# KiCad board hermod-left.kicad_pcb
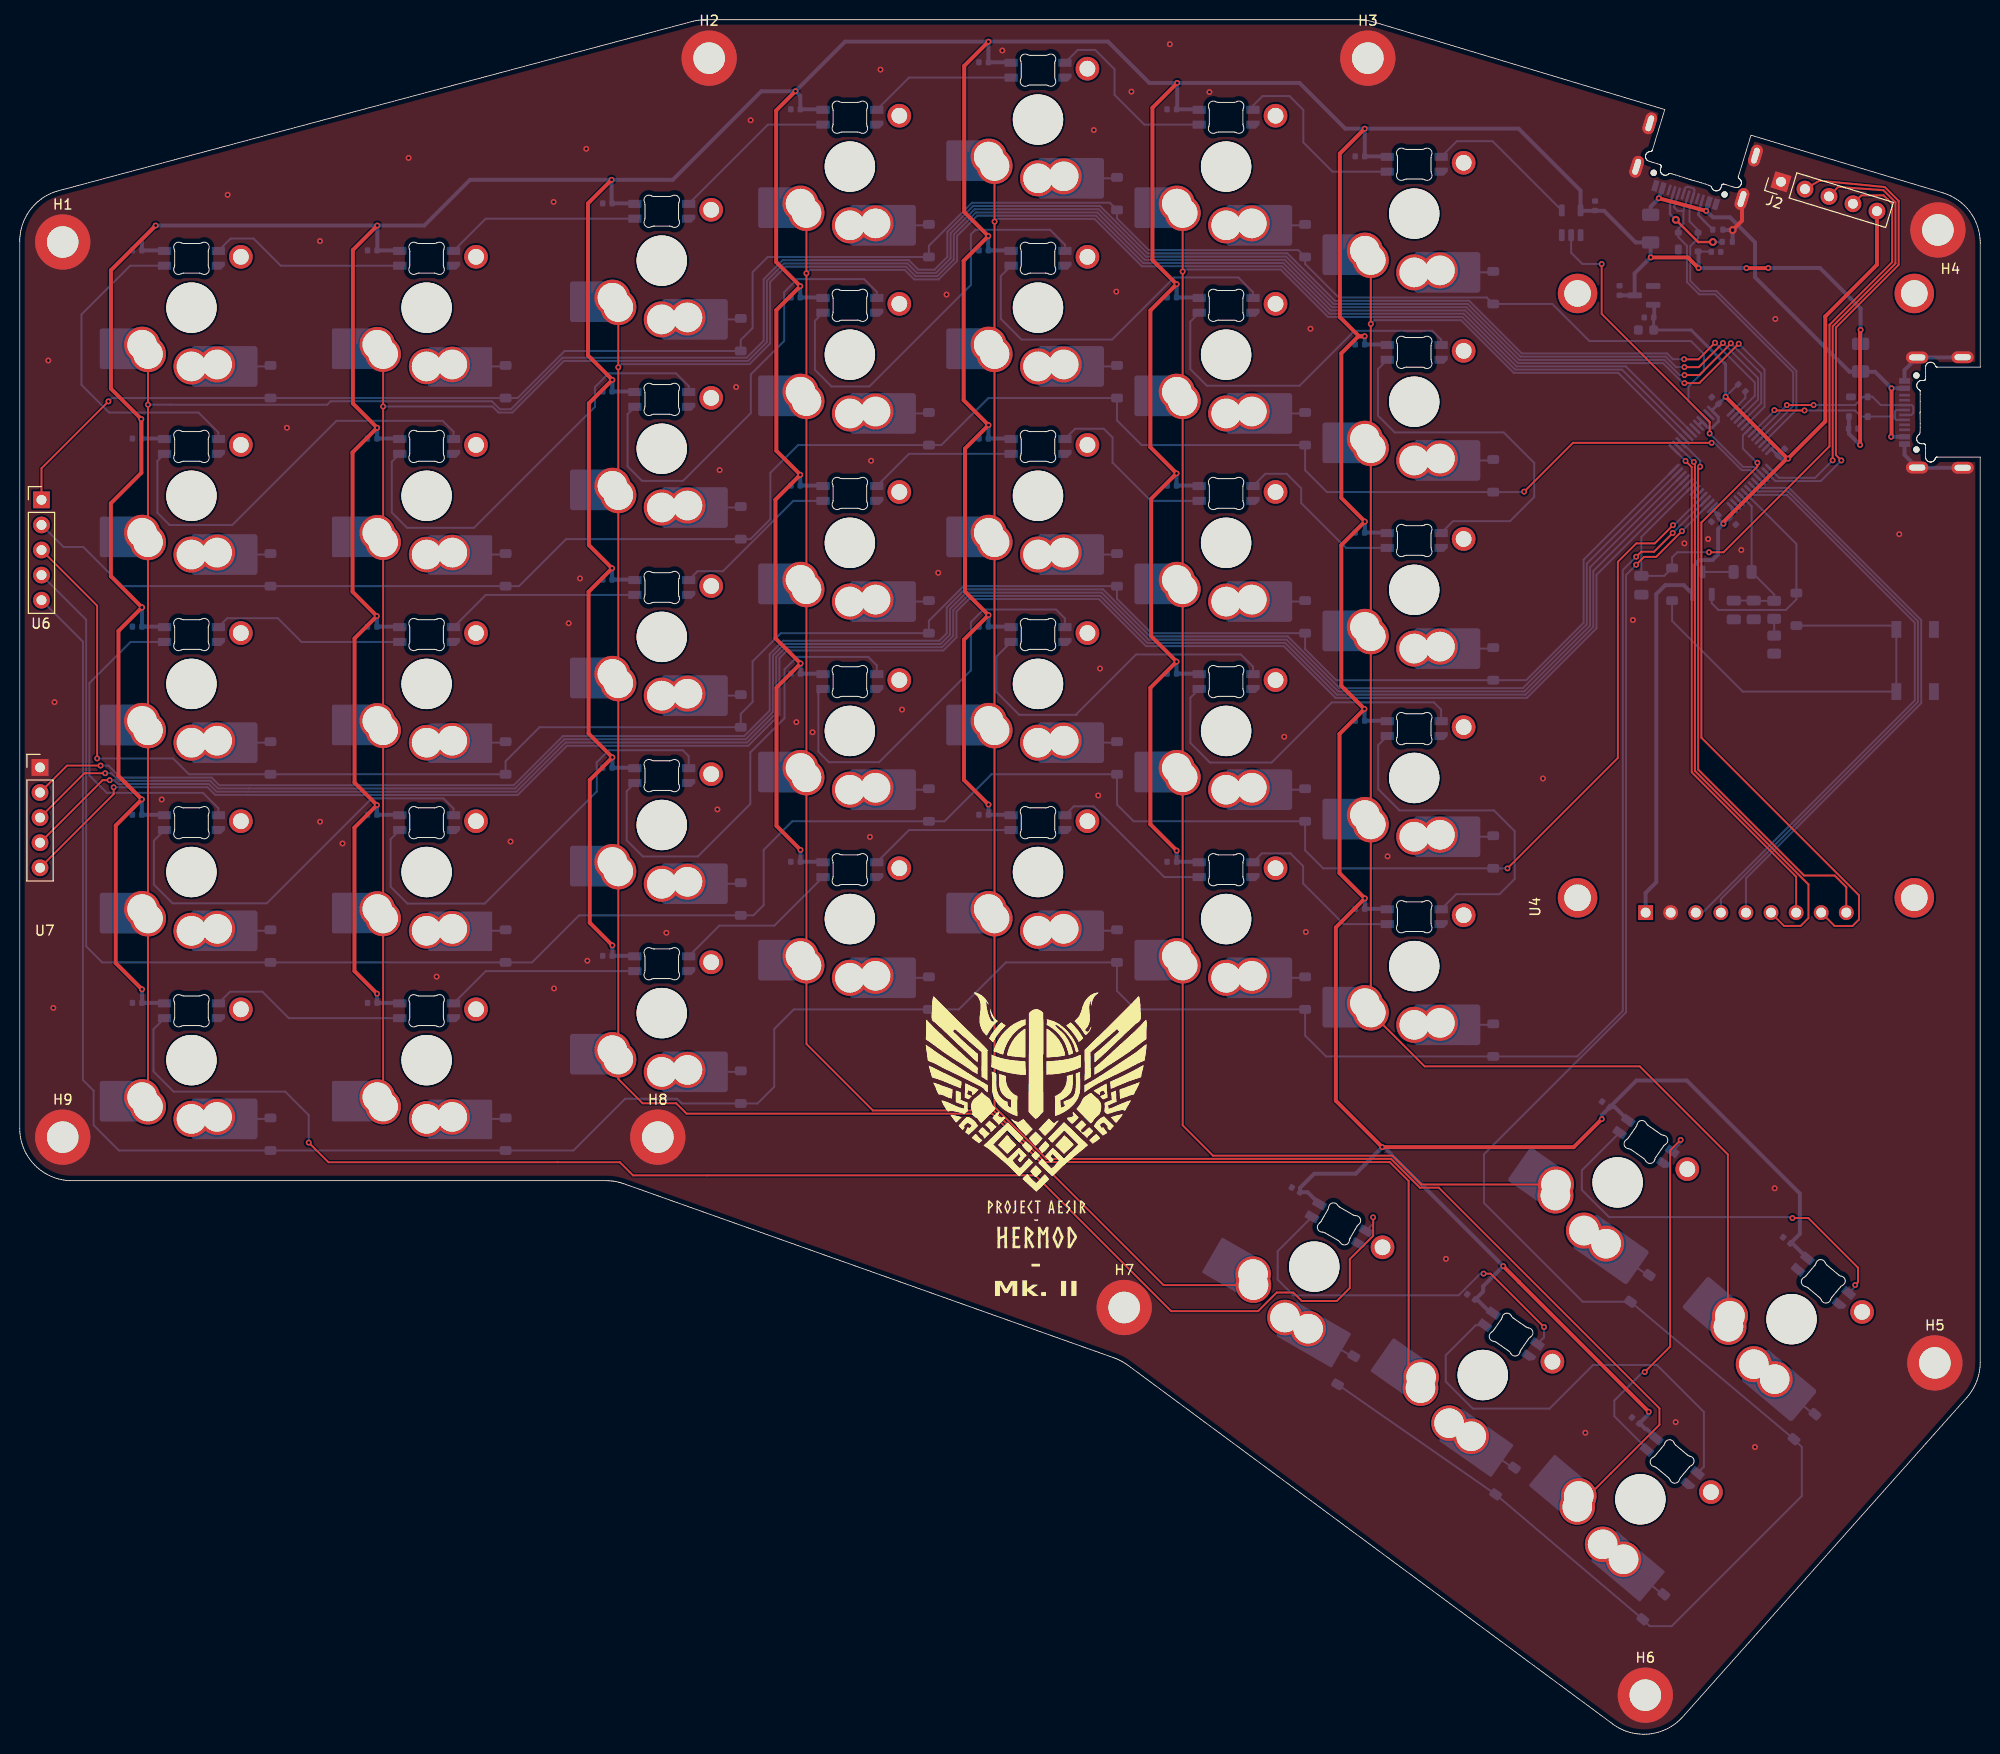
[diagram p0: board, top side]
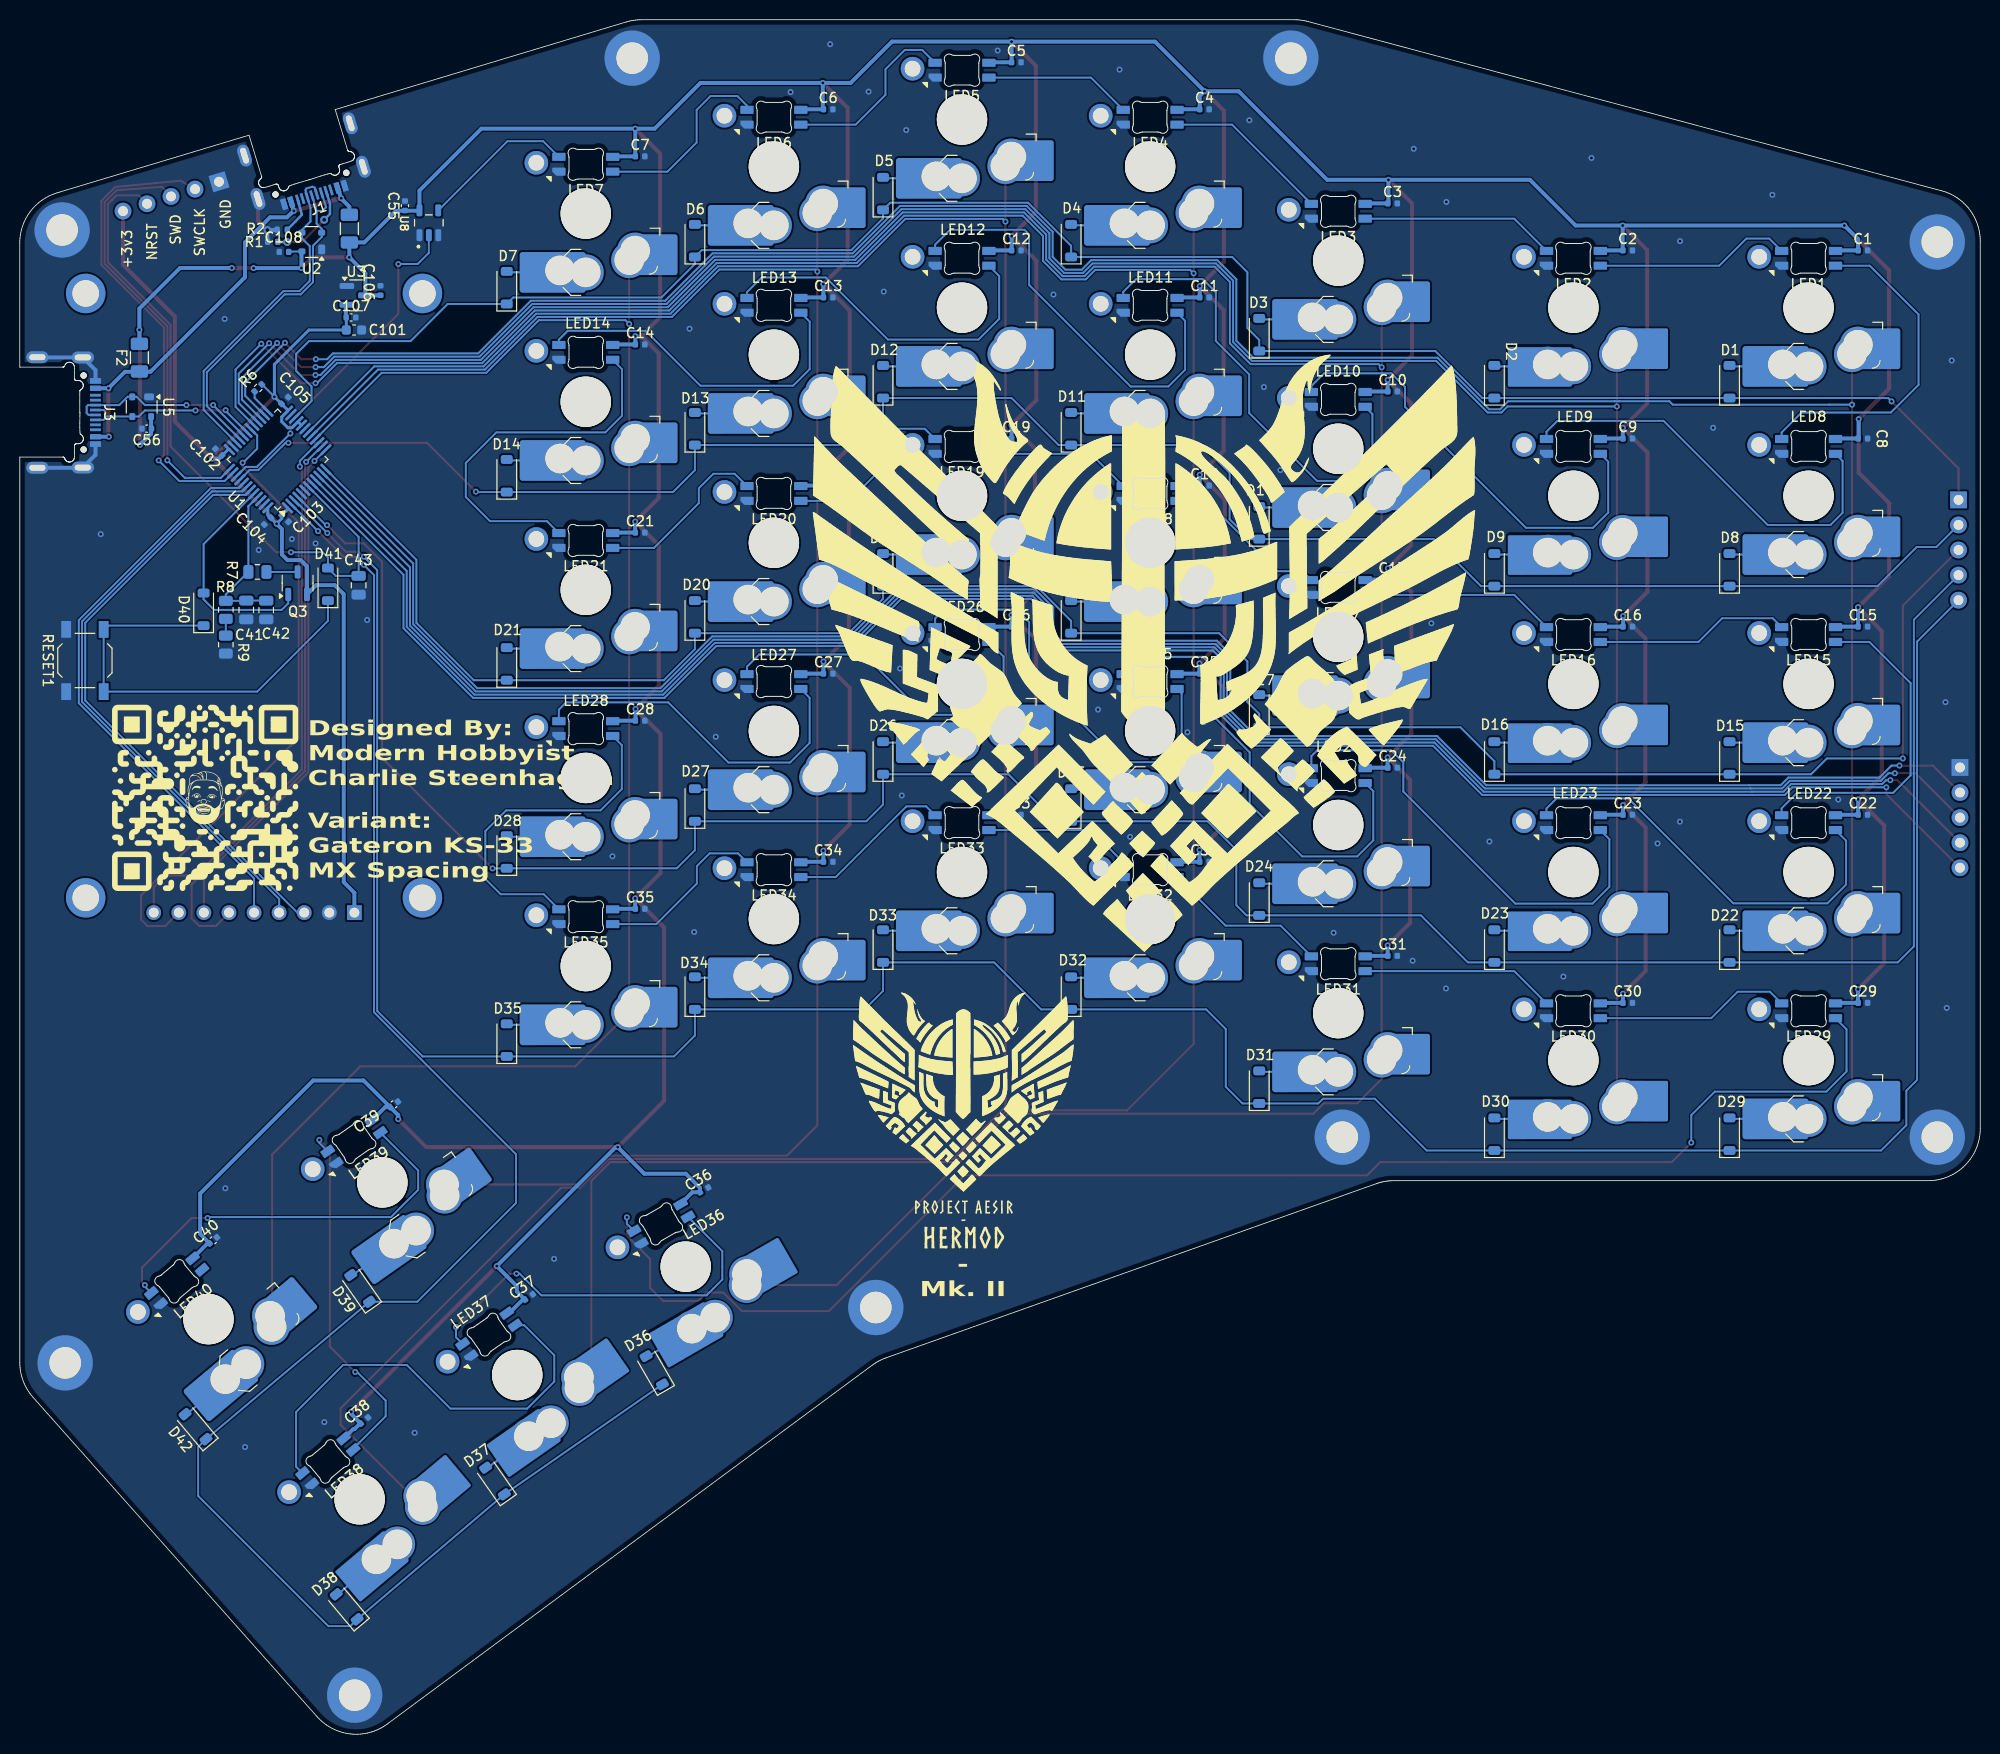
[diagram p1: board, bottom side, seen from below]

Outline 198.53 x 173.62 mm; copper layers: Top, Bottom. Coordinates in mm from the lower left corner of the outline.
Outline path: 0,151.2 0,61.35 0.01,61.08 0.03,60.81 0.06,60.54 0.11,60.28 0.17,60.03 0.24,59.78 0.32,59.53 0.42,59.29 0.52,59.06 0.64,58.83 0.77,58.61 0.9,58.39 1.05,58.18 1.21,57.98 1.38,57.79 1.55,57.61 1.73,57.43 1.93,57.27 2.13,57.11 2.33,56.96 2.55,56.82 2.77,56.7 3,56.58 3.23,56.47 3.47,56.38 3.72,56.3 3.97,56.22 4.23,56.16 4.49,56.12 4.75,56.08 5.02,56.06 5.29,56.06 59.4,56.06 59.63,56.05 59.74,56.05 59.85,56.04 59.96,56.03 60.08,56.01 60.19,56 60.3,55.98 60.41,55.96 60.52,55.94 60.63,55.91 60.74,55.88 60.85,55.85 60.96,55.82 61.06,55.79 61.17,55.75 110.83,38.11 111.01,38.04 111.19,37.96 111.37,37.88 111.54,37.79 111.71,37.7 111.88,37.59 112.05,37.49 112.2,37.37 161.31,1.04 161.52,0.89 161.73,0.76 161.95,0.63 162.17,0.52 162.4,0.42 162.63,0.33 162.86,0.25 163.09,0.18 163.33,0.12 163.57,0.07 163.81,0.04 164.05,0.02 164.29,0 164.53,0 164.77,0.01 165,0.03 165.24,0.06 165.48,0.1 165.71,0.15 165.95,0.21 166.18,0.29 166.4,0.37 166.63,0.46 166.84,0.57 167.06,0.68 167.27,0.81 167.48,0.94 167.68,1.09 167.87,1.25 168.06,1.41 168.24,1.59 168.41,1.78 197.19,34.12 197.34,34.31 197.49,34.5 197.63,34.7 197.76,34.9 197.88,35.11 197.99,35.32 198.09,35.54 198.18,35.76 198.26,35.99 198.33,36.21 198.39,36.45 198.43,36.68 198.47,36.92 198.5,37.16 198.52,37.4 198.52,37.64 198.52,129.34 194.17,129.34 194.15,129.34 194.14,129.34 194.13,129.34 194.11,129.33 194.1,129.33 194.09,129.32 194.08,129.32 194.07,129.31 194.05,129.31 194.04,129.3 194.03,129.29 194.02,129.28 194.02,129.27 194.01,129.26 194,129.25 193.99,129.24 193.98,129.21 193.98,129.2 193.95,129.14 193.94,129.11 193.93,129.09 193.92,129.07 193.91,129.05 193.89,129.04 193.88,129.02 193.87,129.01 193.86,128.99 193.85,128.98 193.83,128.97 193.82,128.96 193.8,128.94 193.79,128.93 193.77,128.92 193.76,128.91 193.74,128.9 193.73,128.89 193.71,128.89 193.69,128.88 193.67,128.87 193.66,128.86 193.64,128.86 193.62,128.85 193.6,128.85 193.58,128.85 193.57,128.84 193.55,128.84 193.53,128.84 193.51,128.84 193.49,128.84 193.47,128.84 193.45,128.84 193.44,128.84 193.42,128.84 193.38,128.85 193.35,128.86 193.32,128.87 193.28,128.88 193.25,128.9 193.22,128.92 193.19,128.94 193.17,128.96 193.14,128.98 193.12,129.01 193.1,129.04 193.08,129.06 193.06,129.09 193.04,129.12 193.03,129.16 193.02,129.19 193.01,129.21 193,129.26 192.99,129.41 192.99,129.6 192.99,129.83 192.99,130.26 192.99,130.5 192.99,130.51 192.99,130.52 192.99,130.54 192.98,130.57 192.97,130.59 192.95,130.61 192.94,130.63 192.92,130.64 192.9,130.66 192.88,130.67 192.86,130.68 192.84,130.68 192.82,130.69 192.79,130.69 192.77,130.69 192.74,130.69 192.72,130.69 192.61,130.69 192.59,130.69 192.57,130.69 192.55,130.69 192.51,130.7 192.49,130.7 192.47,130.71 192.45,130.71 192.43,130.72 192.41,130.72 192.39,130.73 192.37,130.74 192.36,130.75 192.34,130.76 192.31,130.78 192.27,130.8 192.25,130.83 192.22,130.86 192.19,130.89 192.17,130.92 192.15,130.96 192.13,130.99 192.12,131.01 192.12,131.03 192.11,131.05 192.11,131.06 192.1,131.08 192.09,131.12 192.09,131.15 192.09,131.17 192.09,131.19 192.09,131.21 192.09,131.23 192.09,131.25 192.1,131.27 192.1,131.29 192.1,131.31 192.12,131.35 192.13,131.39 192.15,131.42 192.17,131.46 192.2,131.49 192.22,131.52 192.25,131.55 192.28,131.58 192.31,131.61 192.35,131.63 192.38,131.65 192.39,131.66 192.4,131.68 192.42,131.75 192.43,131.86 192.44,132 192.45,132.35 192.45,132.75 192.44,133.51 192.44,133.77 192.44,133.89 192.45,133.89 192.45,134.96 192.45,135.69 192.45,135.93 192.44,136.04 192.43,136.06 192.42,136.08 192.41,136.09 192.4,136.11 192.38,136.13 192.36,136.15 192.34,136.16 192.32,136.18 192.31,136.18 192.28,136.2 192.26,136.22 192.23,136.24 192.21,136.27 192.19,136.29 192.18,136.32 192.16,136.34 192.15,136.37 192.13,136.4 192.12,136.43 192.11,136.46 192.11,136.49 192.1,136.52 192.1,136.55 192.1,136.59 192.1,136.62 192.1,136.64 192.1,136.66 192.1,136.68 192.11,136.7 192.11,136.72 192.12,136.74 192.13,136.77 192.15,136.81 192.16,136.84 192.19,136.88 192.21,136.91 192.24,136.94 192.26,136.97 192.29,136.99 192.33,137.01 192.36,137.03 192.38,137.04 192.4,137.05 192.41,137.06 192.43,137.07 192.45,137.07 192.49,137.08 192.52,137.09 192.54,137.09 192.56,137.09 192.59,137.09 192.62,137.09 192.67,137.09 192.72,137.09 192.77,137.09 192.8,137.09 192.82,137.1 192.85,137.1 192.87,137.1 192.89,137.11 192.91,137.13 192.93,137.14 192.95,137.16 192.96,137.17 192.97,137.18 192.97,137.19 192.98,137.2 192.99,137.23 192.99,137.25 193,137.33 193,137.49 193,137.92 193,138.34 193,138.49 193.01,138.54 193.01,138.56 193.02,138.6 193.03,138.63 193.04,138.66 193.06,138.69 193.07,138.71 193.09,138.74 193.11,138.77 193.14,138.79 193.16,138.81 193.18,138.83 193.21,138.85 193.24,138.87 193.26,138.89 193.29,138.9 193.32,138.91 193.35,138.92 193.37,138.93 193.39,138.94 193.41,138.94 193.43,138.94 193.48,138.95 193.52,138.95 193.56,138.94 193.6,138.94 193.64,138.92 193.68,138.91 193.71,138.9 193.75,138.88 193.79,138.85 193.82,138.83 193.85,138.8 193.88,138.77 193.9,138.74 193.91,138.72 193.93,138.71 194,138.53 194.02,138.51 194.03,138.5 194.05,138.48 194.07,138.47 194.1,138.46 194.12,138.45 194.14,138.45 194.17,138.44 198.53,138.44 198.53,151.02 198.52,151.24 198.51,151.46 198.46,151.88 198.37,152.3 198.25,152.7 198.11,153.1 197.93,153.47 197.72,153.84 197.48,154.18 197.22,154.5 196.94,154.81 196.63,155.09 196.29,155.34 195.94,155.57 195.56,155.78 195.17,155.95 194.97,156.02 194.76,156.09 175.31,161.93 174.04,157.76 174.03,157.74 174.03,157.71 174.03,157.69 174.03,157.67 174.04,157.65 174.04,157.63 174.05,157.62 174.06,157.6 174.07,157.58 174.09,157.57 174.1,157.55 174.12,157.54 174.13,157.52 174.15,157.51 174.17,157.5 174.18,157.48 174.2,157.47 174.21,157.46 174.22,157.44 174.24,157.43 174.25,157.41 174.26,157.39 174.27,157.38 174.28,157.36 174.29,157.34 174.3,157.32 174.31,157.31 174.31,157.29 174.32,157.27 174.32,157.25 174.33,157.23 174.34,157.19 174.34,157.16 174.34,157.14 174.34,157.11 174.34,157.09 174.34,157.07 174.34,157.04 174.33,157.02 174.33,157 174.32,156.98 174.31,156.95 174.3,156.93 174.3,156.91 174.28,156.89 174.27,156.87 174.26,156.85 174.25,156.83 174.23,156.81 174.22,156.79 174.2,156.78 174.19,156.76 174.17,156.74 174.15,156.73 174.13,156.71 174.12,156.7 174.1,156.69 174.08,156.68 174.05,156.67 174.03,156.66 174.01,156.65 173.99,156.64 173.97,156.63 173.95,156.63 173.92,156.62 173.9,156.62 173.87,156.62 173.79,156.63 173.71,156.65 173.61,156.67 173.51,156.7 173.28,156.76 172.86,156.9 172.7,156.95 172.64,156.97 172.6,156.98 172.58,156.98 172.57,156.98 172.55,156.98 172.53,156.98 172.52,156.98 172.5,156.98 172.49,156.98 172.47,156.97 172.46,156.97 172.44,156.96 172.43,156.95 172.42,156.94 172.4,156.93 172.39,156.92 172.38,156.9 172.37,156.9 172.36,156.88 172.35,156.85 172.34,156.83 172.33,156.81 172.32,156.76 172.3,156.71 172.29,156.66 172.28,156.64 172.27,156.61 172.26,156.59 172.25,156.57 172.24,156.55 172.22,156.52 172.21,156.5 172.2,156.49 172.19,156.47 172.18,156.46 172.16,156.45 172.15,156.44 172.14,156.42 172.13,156.41 172.11,156.4 172.1,156.39 172.08,156.38 172.07,156.37 172.05,156.36 172.04,156.35 172.02,156.35 172,156.34 171.99,156.33 171.97,156.32 171.95,156.32 171.94,156.31 171.92,156.31 171.9,156.31 171.89,156.3 171.87,156.3 171.85,156.3 171.83,156.3 171.81,156.3 171.8,156.29 171.78,156.3 171.76,156.3 171.72,156.3 171.7,156.31 171.68,156.31 171.66,156.31 171.65,156.32 171.63,156.33 171.61,156.34 171.59,156.34 171.57,156.35 171.56,156.36 171.52,156.38 171.49,156.41 171.46,156.43 171.43,156.46 171.41,156.49 171.38,156.53 171.36,156.56 171.35,156.6 171.33,156.63 171.32,156.67 171.31,156.69 171.31,156.71 171.31,156.72 171.3,156.74 171.28,156.76 171.24,156.78 171.15,156.82 171.02,156.87 170.68,156.99 170.29,157.11 169.54,157.32 169.29,157.4 169.21,157.43 169.17,157.44 169.14,157.45 169.06,157.47 168.8,157.55 168.07,157.79 167.69,157.91 167.35,158 167.22,158.03 167.11,158.05 167.04,158.05 167.02,158.04 167.01,158.03 166.99,158.02 166.98,158 166.96,157.99 166.94,157.98 166.91,157.95 166.87,157.93 166.83,157.92 166.79,157.9 166.75,157.89 166.73,157.88 166.71,157.88 166.68,157.88 166.66,157.88 166.64,157.88 166.62,157.88 166.6,157.88 166.58,157.88 166.56,157.88 166.54,157.88 166.51,157.89 166.49,157.89 166.47,157.9 166.45,157.91 166.43,157.92 166.41,157.93 166.39,157.94 166.36,157.96 166.34,157.97 166.33,157.98 166.32,157.99 166.3,158 166.29,158.01 166.28,158.02 166.27,158.04 166.26,158.05 166.24,158.06 166.23,158.08 166.22,158.09 166.21,158.11 166.2,158.12 166.2,158.14 166.19,158.15 166.18,158.17 166.17,158.18 166.17,158.2 166.16,158.22 166.16,158.23 166.15,158.25 166.15,158.27 166.14,158.28 166.14,158.3 166.14,158.32 166.14,158.34 166.13,158.35 166.13,158.37 166.13,158.39 166.14,158.41 166.14,158.42 166.14,158.44 166.14,158.46 166.14,158.48 166.15,158.5 166.16,158.53 166.16,158.55 166.2,158.64 166.2,158.67 166.21,158.69 166.22,158.71 166.22,158.73 166.22,158.75 166.23,158.77 166.22,158.8 166.22,158.82 166.21,158.83 166.21,158.85 166.2,158.86 166.19,158.88 166.19,158.89 166.18,158.9 166.16,158.91 166.15,158.92 166.14,158.93 166.13,158.94 166.11,158.95 166.08,158.96 166,158.99 165.84,159.04 165.42,159.16 165.2,159.23 165.01,159.29 164.93,159.33 164.86,159.36 164.82,159.38 164.8,159.4 164.79,159.41 164.78,159.42 164.76,159.44 164.74,159.46 164.73,159.48 164.71,159.5 164.7,159.52 164.69,159.54 164.68,159.56 164.67,159.58 164.66,159.6 164.65,159.63 164.65,159.65 164.64,159.67 164.64,159.7 164.64,159.72 164.63,159.74 164.63,159.77 164.63,159.79 164.63,159.82 164.64,159.84 164.64,159.86 164.64,159.89 164.65,159.91 164.66,159.93 164.66,159.96 164.67,159.98 164.68,160 164.69,160.02 164.7,160.04 164.72,160.06 164.73,160.08 164.75,160.1 164.76,160.12 164.78,160.13 164.79,160.15 164.81,160.16 164.83,160.18 164.85,160.19 164.87,160.2 164.89,160.21 164.91,160.23 164.93,160.24 164.95,160.24 164.97,160.25 164.99,160.26 165.01,160.27 165.04,160.27 165.06,160.27 165.08,160.27 165.1,160.28 165.12,160.28 165.14,160.28 165.16,160.28 165.18,160.29 165.2,160.3 165.22,160.3 165.24,160.31 165.26,160.32 165.27,160.33 165.29,160.35 165.3,160.36 165.31,160.38 165.32,160.4 165.33,160.42 166.58,164.53 137.11,173.4 136.93,173.45 136.74,173.5 136.55,173.53 136.36,173.57 136.17,173.59 135.97,173.61 135.78,173.62 135.59,173.62 69.43,173.62 69.26,173.62 69.08,173.61 68.91,173.6 68.74,173.58 68.57,173.55 68.4,173.52 68.23,173.49 68.06,173.44 3.93,156.31 3.71,156.25 3.5,156.18 3.29,156.1 3.09,156.01 2.9,155.92 2.7,155.81 2.52,155.7 2.34,155.59 2.16,155.46 1.99,155.33 1.83,155.2 1.67,155.05 1.51,154.9 1.37,154.75 1.23,154.59 1.1,154.42 0.97,154.25 0.85,154.07 0.74,153.89 0.63,153.7 0.53,153.51 0.44,153.32 0.36,153.12 0.29,152.92 0.22,152.71 0.16,152.51 0.11,152.29 0.07,152.08 0.04,151.86 0.02,151.64 0,151.42 0,151.2
Stack: Top 0.035mm / dielectric 1.51mm FR4 er 4.5 / Bottom 0.035mm

## Placement (name value [footprint] x y rotation side)
C1  0.1uF  [C_0402_1005Metric]  11.89 150.27 180 bottom
C2  0.1uF  [C_0402_1005Metric]  35.7 150.27 180 bottom
C3  0.1uF  [C_0402_1005Metric]  59.51 155.03 180 bottom
C4  0.1uF  [C_0402_1005Metric]  78.56 164.55 180 bottom
C5  0.1uF  [C_0402_1005Metric]  97.61 169.32 180 bottom
C6  0.1uF  [C_0402_1005Metric]  116.66 164.55 180 bottom
C7  0.1uF  [C_0402_1005Metric]  135.71 159.79 180 bottom
C8  0.1uF  [C_0402_1005Metric]  11.89 131.22 180 bottom
C9  0.1uF  [C_0402_1005Metric]  35.7 131.22 180 bottom
C10  0.1uF  [C_0402_1005Metric]  59.51 135.98 180 bottom
C11  0.1uF  [C_0402_1005Metric]  78.56 145.5 180 bottom
C12  0.1uF  [C_0402_1005Metric]  97.61 150.27 180 bottom
C13  0.1uF  [C_0402_1005Metric]  116.66 145.5 180 bottom
C14  0.1uF  [C_0402_1005Metric]  135.71 140.74 180 bottom
C15  0.1uF  [C_0402_1005Metric]  11.89 112.17 180 bottom
C16  0.1uF  [C_0402_1005Metric]  35.7 112.17 180 bottom
C17  0.1uF  [C_0402_1005Metric]  59.51 116.93 180 bottom
C18  0.1uF  [C_0402_1005Metric]  78.56 126.45 180 bottom
C19  0.1uF  [C_0402_1005Metric]  97.61 131.22 180 bottom
C20  0.1uF  [C_0402_1005Metric]  116.66 126.45 180 bottom
C21  0.1uF  [C_0402_1005Metric]  135.71 121.69 180 bottom
C22  0.1uF  [C_0402_1005Metric]  11.89 93.12 180 bottom
C23  0.1uF  [C_0402_1005Metric]  35.7 93.12 180 bottom
C24  0.1uF  [C_0402_1005Metric]  59.51 97.88 180 bottom
C25  0.1uF  [C_0402_1005Metric]  78.56 107.4 180 bottom
C26  0.1uF  [C_0402_1005Metric]  97.61 112.17 180 bottom
C27  0.1uF  [C_0402_1005Metric]  116.66 107.4 180 bottom
C28  0.1uF  [C_0402_1005Metric]  135.71 102.64 180 bottom
C29  0.1uF  [C_0402_1005Metric]  11.89 74.07 180 bottom
C30  0.1uF  [C_0402_1005Metric]  35.7 74.07 180 bottom
C31  0.1uF  [C_0402_1005Metric]  59.51 78.83 180 bottom
C32  0.1uF  [C_0402_1005Metric]  78.56 88.35 180 bottom
C33  0.1uF  [C_0402_1005Metric]  97.61 93.12 180 bottom
C34  0.1uF  [C_0402_1005Metric]  116.66 88.35 180 bottom
C35  0.1uF  [C_0402_1005Metric]  135.71 83.59 180 bottom
C36  0.1uF  [C_0402_1005Metric]  129.23 55.13 150 bottom
C37  0.1uF  [C_0402_1005Metric]  146.97 44.28 145 bottom
C38  0.1uF  [C_0402_1005Metric]  163.63 31.77 140 bottom
C39  0.1uF  [C_0402_1005Metric]  160.63 63.79 145 bottom
C40  0.1uF  [C_0402_1005Metric]  178.93 50.01 140 bottom
C41  100n  [C_0805_2012Metric]  175.59 113.86 90 bottom
C42  100n  [C_0805_2012Metric]  173.57 113.85 90 bottom
C43  100n  [C_0805_2012Metric]  164.21 116.36 90 bottom
C55  0.1uF  [C_0402_1005Metric]  159.52 154.79 90 bottom
C56  100nF  [C_0402_1005Metric]  185.67 132.22 0 bottom
C101  10uF  [C_0603_1608Metric]  164.68 142.21 180 bottom
C102  100nF  [C_0402_1005Metric]  178.38 129.84 45 bottom
C103  100nF  [C_0402_1005Metric]  171.65 123.13 225 bottom
C104  100nF  [C_0402_1005Metric]  173.43 122.85 315 bottom
C105  100nF  [C_0402_1005Metric]  171.68 135.07 135 bottom
C106  1uF  [C_0402_1005Metric]  162 146.21 90 bottom
C107  1uF  [C_0402_1005Metric]  164.98 143.48 180 bottom
C108  100nF  [C_0402_1005Metric]  171.77 150.12 0 bottom
CH1  gateron_ks33_hs_1U  [KS33_Choc-v2_HS_1U]  17.39 144.47 180 bottom
CH2  gateron_ks33_hs_1U  [KS33_Choc-v2_HS_1.5U]  41.2 144.47 180 bottom
CH3  gateron_ks33_hs_1U  [KS33_Choc-v2_HS_1U]  65.01 149.23 180 bottom
CH4  gateron_ks33_hs_1U  [KS33_Choc-v2_HS_1U]  84.06 158.75 180 bottom
CH5  gateron_ks33_hs_1U  [KS33_Choc-v2_HS_1U]  103.11 163.52 180 bottom
CH6  gateron_ks33_hs_1U  [KS33_Choc-v2_HS_1U]  122.16 158.75 180 bottom
CH7  gateron_ks33_hs_1U  [KS33_Choc-v2_HS_1U]  141.21 153.99 180 bottom
CH8  gateron_ks33_hs_1U  [KS33_Choc-v2_HS_1U]  17.39 125.42 180 bottom
CH9  gateron_ks33_hs_1U  [KS33_Choc-v2_HS_1.5U]  41.2 125.42 180 bottom
CH10  gateron_ks33_hs_1U  [KS33_Choc-v2_HS_1U]  65.01 130.18 180 bottom
CH11  gateron_ks33_hs_1U  [KS33_Choc-v2_HS_1U]  84.06 139.7 180 bottom
CH12  gateron_ks33_hs_1U  [KS33_Choc-v2_HS_1U]  103.11 144.47 180 bottom
CH13  gateron_ks33_hs_1U  [KS33_Choc-v2_HS_1U]  122.16 139.7 180 bottom
CH14  gateron_ks33_hs_1U  [KS33_Choc-v2_HS_1U]  141.21 134.94 180 bottom
CH15  gateron_ks33_hs_1U  [KS33_Choc-v2_HS_1U]  17.39 106.37 180 bottom
CH16  gateron_ks33_hs_1U  [KS33_Choc-v2_HS_1.5U]  41.2 106.37 180 bottom
CH17  gateron_ks33_hs_1U  [KS33_Choc-v2_HS_1U]  65.01 111.13 180 bottom
CH18  gateron_ks33_hs_1U  [KS33_Choc-v2_HS_1U]  84.06 120.65 180 bottom
CH19  gateron_ks33_hs_1U  [KS33_Choc-v2_HS_1U]  103.11 125.42 180 bottom
CH20  gateron_ks33_hs_1U  [KS33_Choc-v2_HS_1U]  122.16 120.65 180 bottom
CH21  gateron_ks33_hs_1U  [KS33_Choc-v2_HS_1U]  141.21 115.89 180 bottom
CH22  gateron_ks33_hs_1U  [KS33_Choc-v2_HS_1U]  17.39 87.32 180 bottom
CH23  gateron_ks33_hs_1U  [KS33_Choc-v2_HS_1.5U]  41.2 87.32 180 bottom
CH24  gateron_ks33_hs_1U  [KS33_Choc-v2_HS_1U]  65.01 92.08 180 bottom
CH25  gateron_ks33_hs_1U  [KS33_Choc-v2_HS_1U]  84.06 101.6 180 bottom
CH26  gateron_ks33_hs_1U  [KS33_Choc-v2_HS_1U]  103.11 106.37 180 bottom
CH27  gateron_ks33_hs_1U  [KS33_Choc-v2_HS_1U]  122.16 101.6 180 bottom
CH28  gateron_ks33_hs_1U  [KS33_Choc-v2_HS_1U]  141.21 96.84 180 bottom
CH29  gateron_ks33_hs_1U  [KS33_Choc-v2_HS_1U]  17.39 68.27 180 bottom
CH30  gateron_ks33_hs_1U  [KS33_Choc-v2_HS_1.5U]  41.2 68.27 180 bottom
CH31  gateron_ks33_hs_1U  [KS33_Choc-v2_HS_1U]  65.01 73.03 180 bottom
CH32  gateron_ks33_hs_1U  [KS33_Choc-v2_HS_1U]  84.06 82.55 180 bottom
CH33  gateron_ks33_hs_1U  [KS33_Choc-v2_HS_1U]  103.11 87.32 180 bottom
CH34  gateron_ks33_hs_1U  [KS33_Choc-v2_HS_1U]  122.16 82.55 180 bottom
CH35  gateron_ks33_hs_1U  [KS33_Choc-v2_HS_1U]  141.21 77.79 180 bottom
CH36  gateron_ks33_hs_1U  [KS33_Choc-v2_HS_1.5U]  131.09 47.35 150 bottom
CH37  gateron_ks33_hs_1U  [KS33_Choc-v2_HS_1.5U]  148.15 36.38 145 bottom
CH38  gateron_ks33_hs_1U  [KS33_Choc-v2_HS_1.5U]  164.11 23.79 140 bottom
CH39  gateron_ks33_hs_1U  [KS33_Choc-v2_HS_1U]  161.81 55.88 145 bottom
CH40  gateron_ks33_hs_1U  [KS33_Choc-v2_HS_1U]  179.42 42.04 140 bottom
D1  D  [D_SOD-123]  25.39 136.97 90 bottom
D2  D  [D_SOD-123]  49.2 136.97 90 bottom
D3  D  [D_SOD-123]  73.01 141.73 90 bottom
D4  D  [D_SOD-123]  92.06 151.25 90 bottom
D5  D  [D_SOD-123]  111.11 156.02 90 bottom
D6  D  [D_SOD-123]  130.16 151.25 90 bottom
D7  D  [D_SOD-123]  149.21 146.49 90 bottom
D8  D  [D_SOD-123]  25.39 117.92 90 bottom
D9  D  [D_SOD-123]  49.2 117.92 90 bottom
D10  D  [D_SOD-123]  73.01 122.68 90 bottom
D11  D  [D_SOD-123]  92.06 132.2 90 bottom
D12  D  [D_SOD-123]  111.11 136.97 90 bottom
D13  D  [D_SOD-123]  130.16 132.2 90 bottom
D14  D  [D_SOD-123]  149.21 127.44 90 bottom
D15  D  [D_SOD-123]  25.39 98.87 90 bottom
D16  D  [D_SOD-123]  49.2 98.87 90 bottom
D17  D  [D_SOD-123]  73.01 103.63 90 bottom
D18  D  [D_SOD-123]  92.06 113.15 90 bottom
D19  D  [D_SOD-123]  111.11 117.92 90 bottom
D20  D  [D_SOD-123]  130.16 113.15 90 bottom
D21  D  [D_SOD-123]  149.21 108.39 90 bottom
D22  D  [D_SOD-123]  25.39 79.82 90 bottom
D23  D  [D_SOD-123]  49.2 79.82 90 bottom
D24  D  [D_SOD-123]  73.01 84.58 90 bottom
D25  D  [D_SOD-123]  92.06 94.1 90 bottom
D26  D  [D_SOD-123]  111.11 98.87 90 bottom
D27  D  [D_SOD-123]  130.16 94.1 90 bottom
D28  D  [D_SOD-123]  149.21 89.34 90 bottom
D29  D  [D_SOD-123]  25.39 60.77 90 bottom
D30  D  [D_SOD-123]  49.2 60.77 90 bottom
D31  D  [D_SOD-123]  73.01 65.53 90 bottom
D32  D  [D_SOD-123]  92.06 75.05 90 bottom
D33  D  [D_SOD-123]  111.11 79.82 90 bottom
D34  D  [D_SOD-123]  130.16 75.05 90 bottom
D35  D  [D_SOD-123]  149.21 70.29 90 bottom
D36  D  [D_SOD-123]  134.27 36.86 60 bottom
D37  D  [D_SOD-123]  150.4 25.64 55 bottom
D38  D  [D_SOD-123]  165.42 12.91 50 bottom
D39  D  [D_SOD-123]  164.06 45.15 55 bottom
D40  1N4148  [D_SOD-123]  179.91 113.92 90 bottom
D41  1N4148  [D_SOD-123]  167.32 116.45 90 bottom
D42  D  [D_SOD-123]  180.73 31.15 50 bottom
F1  500mA  [Fuse_1206_3216Metric]  165.15 152.48 270 bottom
F2  500mA  [Fuse_1206_3216Metric]  186.41 139.41 90 bottom
H1  MountingHole_Pad  [MountingHole_3.2mm_M3_DIN965_Pad]  4.35 151.12 0 top
H2  MountingHole_Pad  [MountingHole_3.2mm_M3_DIN965_Pad]  69.81 169.74 0 top
H3  MountingHole_Pad  [MountingHole_3.2mm_M3_DIN965_Pad]  136.51 169.74 0 top
H4  MountingHole_Pad  [MountingHole_3.2mm_M3_DIN965_Pad]  194.24 152.34 0 top
H5  MountingHole_Pad  [MountingHole_3.2mm_M3_DIN965_Pad]  193.93 37.61 0 top
H6  MountingHole_Pad  [MountingHole_3.2mm_M3_DIN965_Pad]  164.61 3.96 0 top
H7  MountingHole_Pad  [MountingHole_3.2mm_M3_DIN965_Pad]  111.84 43.22 0 top
H8  MountingHole_Pad  [MountingHole_3.2mm_M3_DIN965_Pad]  64.61 60.47 0 top
H9  MountingHole_Pad  [MountingHole_3.2mm_M3_DIN965_Pad]  4.35 60.47 0 top
J1  USB_C_Receptacle_USB2.0  [USB_C_Receptacle_HRO_TYPE-C-31-M-14]  169.05 157.03 343 bottom
J2  Conn_01x05  [PinHeader_1x05_P2.54mm_Vertical]  178.35 157.22 73 top
J3  USB_C_Receptacle_USB2.0  [USB_C_Receptacle_HRO_TYPE-C-31-M-14]  192.06 133.85 270 bottom
LED1  choc_SK6812MINI-E  [LED_choc_6028R]  17.39 149.47 0 bottom
LED2  choc_SK6812MINI-E  [LED_choc_6028R]  41.2 149.47 0 bottom
LED3  choc_SK6812MINI-E  [LED_choc_6028R]  65.01 154.23 0 bottom
LED4  choc_SK6812MINI-E  [LED_choc_6028R]  84.06 163.75 0 bottom
LED5  choc_SK6812MINI-E  [LED_choc_6028R]  103.11 168.52 0 bottom
LED6  choc_SK6812MINI-E  [LED_choc_6028R]  122.16 163.75 0 bottom
LED7  choc_SK6812MINI-E  [LED_choc_6028R]  141.21 158.99 0 bottom
LED8  choc_SK6812MINI-E  [LED_choc_6028R]  17.39 130.42 0 bottom
LED9  choc_SK6812MINI-E  [LED_choc_6028R]  41.2 130.42 0 bottom
LED10  choc_SK6812MINI-E  [LED_choc_6028R]  65.01 135.18 0 bottom
LED11  choc_SK6812MINI-E  [LED_choc_6028R]  84.06 144.7 0 bottom
LED12  choc_SK6812MINI-E  [LED_choc_6028R]  103.11 149.47 0 bottom
LED13  choc_SK6812MINI-E  [LED_choc_6028R]  122.16 144.7 0 bottom
LED14  choc_SK6812MINI-E  [LED_choc_6028R]  141.21 139.94 0 bottom
LED15  choc_SK6812MINI-E  [LED_choc_6028R]  17.39 111.37 0 bottom
LED16  choc_SK6812MINI-E  [LED_choc_6028R]  41.2 111.37 0 bottom
LED17  choc_SK6812MINI-E  [LED_choc_6028R]  65.01 116.13 0 bottom
LED18  choc_SK6812MINI-E  [LED_choc_6028R]  84.06 125.65 0 bottom
LED19  choc_SK6812MINI-E  [LED_choc_6028R]  103.11 130.42 0 bottom
LED20  choc_SK6812MINI-E  [LED_choc_6028R]  122.16 125.65 0 bottom
LED21  choc_SK6812MINI-E  [LED_choc_6028R]  141.21 120.89 0 bottom
LED22  choc_SK6812MINI-E  [LED_choc_6028R]  17.39 92.32 0 bottom
LED23  choc_SK6812MINI-E  [LED_choc_6028R]  41.2 92.32 0 bottom
LED24  choc_SK6812MINI-E  [LED_choc_6028R]  65.01 97.08 0 bottom
LED25  choc_SK6812MINI-E  [LED_choc_6028R]  84.06 106.6 0 bottom
LED26  choc_SK6812MINI-E  [LED_choc_6028R]  103.11 111.37 0 bottom
LED27  choc_SK6812MINI-E  [LED_choc_6028R]  122.16 106.6 0 bottom
LED28  choc_SK6812MINI-E  [LED_choc_6028R]  141.21 101.84 0 bottom
LED29  choc_SK6812MINI-E  [LED_choc_6028R]  17.39 73.27 0 bottom
LED30  choc_SK6812MINI-E  [LED_choc_6028R]  41.2 73.27 0 bottom
LED31  choc_SK6812MINI-E  [LED_choc_6028R]  65.01 78.03 0 bottom
LED32  choc_SK6812MINI-E  [LED_choc_6028R]  84.06 87.55 0 bottom
LED33  choc_SK6812MINI-E  [LED_choc_6028R]  103.11 92.32 0 bottom
LED34  choc_SK6812MINI-E  [LED_choc_6028R]  122.16 87.55 0 bottom
LED35  choc_SK6812MINI-E  [LED_choc_6028R]  141.21 82.79 0 bottom
LED36  choc_SK6812MINI-E  [LED_choc_6028R]  133.59 51.68 330 bottom
LED37  choc_SK6812MINI-E  [LED_choc_6028R]  151.02 40.47 325 bottom
LED38  choc_SK6812MINI-E  [LED_choc_6028R]  167.33 27.62 320 bottom
LED39  choc_SK6812MINI-E  [LED_choc_6028R]  164.68 59.98 325 bottom
LED40  choc_SK6812MINI-E  [LED_choc_6028R]  182.63 45.87 320 bottom
Q3  MMUN2133LT1G  [SOT-23-3]  170.39 116.57 90 bottom
R1  5.1k  [R_0402_1005Metric]  172.91 151.14 180 bottom
R2  5.1k  [R_0402_1005Metric]  171.95 152.37 0 bottom
R6  5.1k  [R_0402_1005Metric]  174.38 136.34 315 bottom
R7  120  [R_0805_2012Metric]  174.46 117.71 0 bottom
R8  68k  [R_0805_2012Metric]  177.66 113.87 90 bottom
R9  68k  [R_0805_2012Metric]  177.66 110.35 270 bottom
RESET1  DFU  [SW_SPST_TL3342]  191.93 108.74 90 bottom
U1  STM32G474CETx  [LQFP-48_7x7mm_P0.5mm]  172.41 129.1 45 bottom
U2  PRTR5V0U2X  [SOT-143]  168.95 151.12 0 bottom
U3  XC6206PxxxMR-Regulator_Linear  [SOT-23]  164.47 145.71 180 bottom
U4  -  [CR2013-MI2120]  164.64 83.21 90 top
U5  PRTR5V0U2X  [SOT-143]  186.18 134.44 270 bottom
U6  ~  [Pogo_2.54mm_5p]  2.2 119.9 0 top
U7  ~  [Pogo_2.54mm_5p]  2.05 92.8 0 top
U8  SN74AHCT1G125DBVR  [SOT95P280X145-5N]  157.1 153.06 90 bottom

## Library data of the parts
C1-C40 = -: Description: Unpolarized capacitor; ki_fp_filters: C_*
C41-C43 = -: ki_fp_filters: C_*
C55 C56 C101-C108 = -: LCSC: C307331; ki_fp_filters: C_*
CH1-CH40 = -: Description: Push button switch, normally open, two pins, 45° tilted
D1-D39 D42 = -: Description: Diode; Sim.Pins: 1=K 2=A; ki_fp_filters: TO-???* *_Diode_* *SingleDiode* D_*
D40 D41 = -: ki_fp_filters: TO-???* *_Diode_* *SingleDiode* D_*
F1 F2 = -: LCSC: C135341; ki_fp_filters: *polyfuse* *PTC*
H1-H9 = -: Description: Mounting Hole with connection; ki_fp_filters: MountingHole*Pad*
J1 = -: Datasheet: https://www.usb.org/sites/default/files/documents/usb_type-c.zip; JlcPosOffset: 0,1.5; JlcRotOffset: 180; ki_fp_filters: USB*C*Receptacle*
J2 = -: Description: Generic connector, single row, 01x05, script generated (kicad-library-utils/schlib/autogen/connector/); ki_fp_filters: Connector*:*_1x??_*
J3 = -: Datasheet: https://www.usb.org/sites/default/files/documents/usb_type-c.zip; JlcRotOffset: 180; JlcPosOffset: 0,1.5; ki_fp_filters: USB*C*Receptacle*
LED1-LED40 = -: Description: Reverse mount adressable LED (WS2812 protocol)
R1 R2 R6-R9 = -: ki_fp_filters: R_*
U1 = -: Datasheet: https://www.st.com/resource/en/datasheet/stm32g474ce.pdf; Description: STMicroelectronics Arm Cortex-M4 MCU, 512KB flash, 128KB RAM, 170 MHz, 1.71-3.6V, 38 GPIO, LQFP48; ki_fp_filters: LQFP*7x7mm*P0.5mm*
U2 U5 = -: Datasheet: https://assets.nexperia.com/documents/data-sheet/PRTR5V0U2X.pdf; LCSC: C2827688; JlcRotOffset: 90; ki_fp_filters: SOT?143*
U3 = -: Datasheet: https://www.torexsemi.com/file/xc6206/XC6206.pdf; LCSC: C5446; ki_fp_filters: SOT?23*
U4 = -: Datasheet: http://pan.baidu.com/s/11Y990; Description: ILI9341 controller, SPI TFT LCD Display, 9-pin breakout PCB, 4-pin SD card interface, 5V/3.3V; ki_fp_filters: *CR2013*MI2120*
U8 = -: MF: Texas Instruments; Description_1: Single 4.5-V to 5.5-V buffer with TTL-compatible CMOS inputs and 3-state outputs; Package: SOT-23-5 Texas Instruments; Price: None; SnapEDA_Link: https://www.snapeda.com/parts/SN74AHCT1G125DBVR/Texas+Instruments/view-part/?ref=snap; Availability: In Stock; Check_prices: https://www.snapeda.com/parts/SN74AHCT1G125DBVR/Texas+Instruments/view-part/?ref=eda

## Footprints (pads in the part's own frame, mm; a bottom-side part is the same pattern mirrored in y, then rotated)
C_0402_1005Metric
  rrect 0.56x0.62 smd: 1(-0.48,0) 2(0.48,0)
C_0603_1608Metric
  rrect 0.9x0.95 smd: 1(-0.775,0) 2(0.775,0)
C_0805_2012Metric
  rrect 1x1.45 smd: 1(-0.95,0) 2(0.95,0)
CR2013-MI2120
  round 4 hole 2.7: (1.5,6.89) (1.5,-27.21) (62.7,6.89) (62.7,-27.21)
  rect 1.5x1.5 hole 1: 1(0,0)
  round 1.5 hole 1: 2(0,-2.54) 3(0,-5.08) 4(0,-7.62) 5(0,-10.16) 6(0,-12.7) 7(0,-15.24) 8(0,-17.78) 9(0,-20.32)
D_SOD-123
  rrect 0.9x1.2 smd: 1(-1.65,0) 2(1.65,0)
Fuse_1206_3216Metric
  rrect 1.25x1.75 smd: 1(-1.4,0) 2(1.4,0)
KS33_Choc-v2_HS_1.5U
  round 5 hole 5 unplated: (-0.005,0)
  round 5.1 hole 5.1 unplated: (0,0)
  round 3.6 hole 3: 1(4.4,-4.7) 1(4.995,-3.75) 2(-2.6,-5.75) 2(-0.005,-5.95)
  custom 4.294x4.115 smd: 1(8.24,-4.155)
  custom 6.54x4.005 smd: 2(-5.665,-6.003)
  round 2.4 hole 1.6: MP(-5.005,5.15)
KS33_Choc-v2_HS_1U
  round 5 hole 5 unplated: (-0.005,0)
  round 5.1 hole 5.1 unplated: (0,0)
  round 3.65 hole 3: 1(4.4,-4.7) 1(4.995,-3.75) 2(-2.6,-5.75) 2(-0.005,-5.95)
  custom 4.027x4.12 smd: 1(8.3,-4.16)
  custom 6.685x4.12 smd: 2(-5.696,-5.952)
  round 2.4 hole 1.6: MP(-5.005,5.15)
LED_choc_6028R
  rrect 1.35x0.82 smd: 1(-2.725,-0.75) 2(-2.725,0.75) 3(2.725,-0.75) 4(2.725,0.75)
LQFP-48_7x7mm_P0.5mm
  rrect 1.475x0.28 smd: 1(-4.162,2.75) 2(-4.162,2.25) 3(-4.162,1.75) 4(-4.162,1.25) 5(-4.162,0.75) 6(-4.162,0.25) 7(-4.162,-0.25) 8(-4.162,-0.75) 9(-4.162,-1.25) 10(-4.162,-1.75) 11(-4.162,-2.25) 12(-4.162,-2.75) 25(4.162,-2.75) 26(4.162,-2.25) 27(4.162,-1.75) 28(4.162,-1.25) 29(4.162,-0.75) 30(4.162,-0.25) 31(4.162,0.25) 32(4.162,0.75) 33(4.162,1.25) 34(4.162,1.75) 35(4.162,2.25) 36(4.162,2.75)
  rrect 0.28x1.475 smd: 13(-2.75,-4.162) 14(-2.25,-4.162) 15(-1.75,-4.162) 16(-1.25,-4.162) 17(-0.75,-4.162) 18(-0.25,-4.162) 19(0.25,-4.162) 20(0.75,-4.162) 21(1.25,-4.162) 22(1.75,-4.162) 23(2.25,-4.162) 24(2.75,-4.162) 37(2.75,4.162) 38(2.25,4.162) 39(1.75,4.162) 40(1.25,4.162) 41(0.75,4.162) 42(0.25,4.162) 43(-0.25,4.162) 44(-0.75,4.162) 45(-1.25,4.162) 46(-1.75,4.162) 47(-2.25,4.162) 48(-2.75,4.162)
MountingHole_3.2mm_M3_DIN965_Pad
  round 5.6 hole 3.2: 1(0,0)
PinHeader_1x05_P2.54mm_Vertical
  rect 1.7x1.7 hole 1: 1(0,0)
  oval 1.7x1.7 hole 1: 2(0,-2.54) 3(0,-5.08) 4(0,-7.62) 5(0,-10.16)
Pogo_2.54mm_5p
  rect 1.7x1.7 hole 1: 1(0,5.11)
  oval 1.7x1.7 hole 1: 2(0,2.57) 3(0,0.03) 4(0,-2.51) 5(0,-5.05)
R_0402_1005Metric
  rrect 0.54x0.64 smd: 1(-0.51,0) 2(0.51,0)
R_0805_2012Metric
  rrect 1.025x1.4 smd: 1(-0.912,0) 2(0.912,0)
SOT95P280X145-5N
  rrect 1.21x0.59 smd: 1(-1.255,0.95) 2(-1.255,0) 3(-1.255,-0.95) 4(1.255,-0.95) 5(1.255,0.95)
SOT-23
  rrect 1.475x0.6 smd: 1(-0.938,0.95) 2(-0.938,-0.95) 3(0.938,0)
SOT-23-3
  rrect 1.325x0.6 smd: 1(-1.137,0.95) 2(-1.137,-0.95) 3(1.137,0)
SOT-143
  rrect 0.7x1 smd: 1(-1,0.75)
  rrect 0.7x0.6 smd: 2(-1,-0.95) 3(1,-0.95) 4(1,0.95)
SW_SPST_TL3342
  rect 1.7x1 smd: 1(-3.15,1.9) 1(3.15,1.9) 2(-3.15,-1.9) 2(3.15,-1.9)
USB_C_Receptacle_HRO_TYPE-C-31-M-14
  round 0.65 hole 0.65 unplated: (-3.75,0) (3.75,0)
  rect 0.54x1.1 smd: A1(-3.2,1.2) A12(3.2,1.2) B1(3.2,1.2) B12(-3.2,1.2)
  rect 0.52x1.1 smd: A4(-2.45,1.2) A9(2.45,1.2) B4(2.45,1.2) B9(-2.45,1.2)
  rect 0.28x1.1 smd: A5(-1.25,1.2) A6(-0.25,1.2) A7(0.25,1.2) A8(1.25,1.2) B5(1.75,1.2) B6(0.75,1.2) B7(-0.75,1.2) B8(-1.75,1.2)
  oval 1.2x2.25 hole 0.6x1.65: S1(-5.595,-4.68) S1(-5.575,-0.08) S1(5.575,-0.08) S1(5.595,-4.68)